# Altium PCB IDL_18_020.PcbDoc (part 1 of 2) (continued)
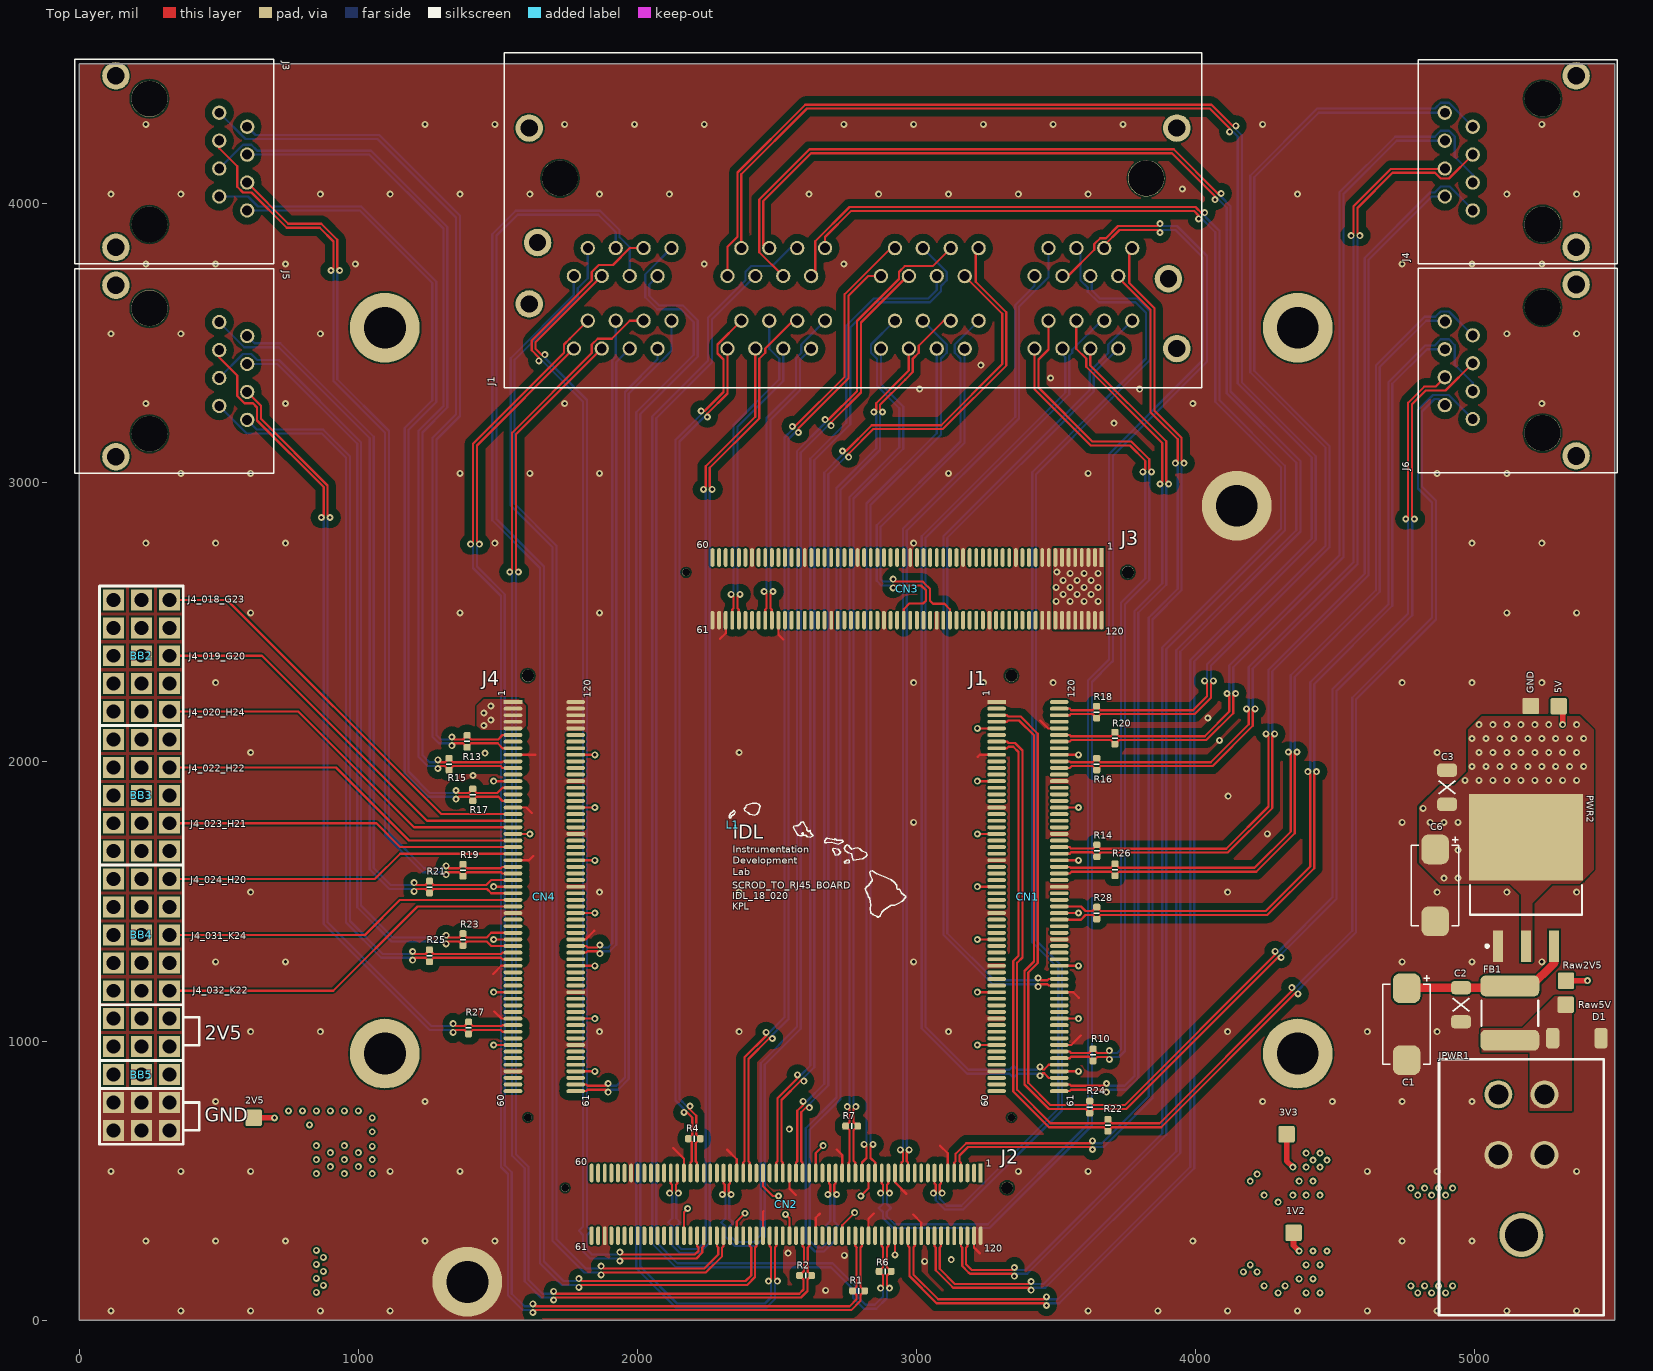
[diagram p0: Top Layer view]
## Footprints (in the part's own frame and the unit in brackets; to place one, negate y for a bottom-side part, rotate by r counter-clockwise, add the part's x,y. Pads: shape width x height; smd on the part's side, far side on the other; paste and mask are expansions set on the pad) (continued)
  round 1.1 hole 1.1 unplated: 121(-20.1,-1.5)
  round 0.7 hole 0.7 unplated: 122(20.1,-1.5)
  body extent -21.3,-3.28 21.3,3.22, height 10.82
"IDLab logo" [mil]
  silkscreen extent -13,-332 619,77
MOLEX_4PIN [mm]
  round 2.54 hole 1.829: 1(4.2,7.3) 2(0,7.3) 3(4.2,12.8) 4(0,12.8)
  round 4 hole 3: 5(2.1,0)
  silkscreen extent -5.4,-7.3 9.6,16
RC0402N1R [mm] "Chip capacitor 0402 ROUNDED PAD"
  rrect50% 0.6x0.65 smd: 1(-0.55,0) 2(0.55,0)
  silkscreen extent 0,-0.25 0,0.25, body extent -0.51,-0.25 0.51,0.25, height 0.36
SOD128 [mm] "2-Leads, Body 2.7x4.0mm (max), IPC Medium Density"
  rrect50% 1.2x1.9 smd: 1(-2.2,0) 2(2.2,0)
  body extent -2,-1.35 2,1.35, height 1.1
SOT223 [mm]
  rect 1.05x1.75 smd: 1(-2.3,-3.3) 2(0,-3.3) 3(2.3,-3.3)
  rect 3.4x1.75 smd: 4(0,3.3)
  silkscreen extent -3.45,-3.45 3.35,1.85, body extent -3.25,-3.5 3.25,3.5, height 1.8
SP1.5SQ [mm] "Solder Pad 1.5mm SMT"
  rrect20% 1.5x1.5 smd: 1(0,0)
"TO-263-4 DDPAK" [mm]
  rect 2.85x0.9 smd: 1(-6.2,2.54) 2(-6.2,0) 3(-6.2,-2.54)
  rect 7.9x10.35 smd: 4(3.7,0)
  silkscreen extent -6.32,-5.1 -0.65,5.1, body extent -3.35,-5.07 5.29,5.07, height 4.57
"VIRT RJ45" [mm] "Single_Verticle_RJ-45"
  round 1.3 hole 0.9: A1(1.27,6.35) A2(2.54,8.89) A3(3.81,6.35) A4(5.08,8.89) A5(6.35,6.35) A6(7.62,8.89) A7(8.89,6.35) A8(10.16,8.89)
  round 3.302 hole 3.25 unplated: M1(0,0)
  round 3.25 hole 3.25 unplated: M2(11.43,0)
  round 2.5 hole 1.6: M3(-2.085,-3.05) M4(13.515,-3.05)
  silkscreen extent -3.6,-6.8 15,11.3, body extent -2.6,-6.4 14,10.9, height 16.5

## Part data
1V2 2V5 3V3 5V GND Raw2V5 Raw5V: "Wire solder pin 1.5mm", Price=0, Sort=610, Tech=THDW
BB2 BB3 BB4 BB5: library part "3X5 Breadboard", "3X5 100mil pitch Breadboard", Tech="Surface Mount"
C1: library part CAPT7343_330U_16V, "330µF Molded Tantalum - Polymer Capacitors 16V", Manufacturer=Kemet, Manufacturer No=T521X337M016ATE050, Package="Tant SMD D 7343-43", Supplier Part Number 1=399-10365-6-ND, Voltage rating=16V, Supplier 1=Digi-Key, Tech=SMDR
C2 C3 C4 C5 C7 C8 C9 C10: library part CAPCC1206_10U_16VX7R, "10µF 16V Ceramic Capacitor X7R 1206", Manufacturer=TDK, Manufacturer No=C3216X7R1C106M160AC, Package="Cap Chip 1206", Supplier Part Number 1=445-1601-1-ND, Voltage rating=16V, Supplier 1=Digi-Key, Tech=SMDR
C6: library part CAPT7343_220U_6.3V, "220µF 6.3V Aluminum - Polymer Capacitors", Manufacturer=Panasonic, Manufacturer No=EEF-UE0J221LR, Package="Tant SMD D 7343-43", Supplier Part Number 1=PCE4263CT-ND, Voltage rating=6.3V, Supplier 1=Digi-Key, Tech=SMDR
CN1 CN2 CN3 CN4: library part CN_FX8C-120P-SV6(91), "Hirose Connector 120pin SMD R0.6mm male", Manufacturer=Hirose, Package="120pin SMD", Comment2="120pin Header 10.45mm", Manufacturer No=FX8C-120P-SV6(91), Price=5.69, Sort=610, Supplier=Digi-Key, Supplier No=H11527-ND, Tech=SMDR
D1: library part Schottky_Diodes_5A_30V, "DIODE SCHOTTKY 30V 5A SOD128  500ns 0.36Vf", Manufacturer=NXP, Package=SMB, Supplier Part Number 1=568-6753-6-ND, Manufacturer No=PMEG3050EP,115, Supplier 1=Digi-Key, Tech=SMDR
FB1: library part FB2220-74279224151, "Feritte filter smd 2220 5A 10mRdc 150Rac", Manufacturer=Wurth, Package="Filter Chip 2220", Supplier Part Number 1=732-3423-1-ND, Manufacturer No=74279224151, Supplier 1=Digi-Key, Supplier 2=Mouser, Supplier Part Number 2=710-74279224151, Tech=SMDR
J1: library part "2x4 RJ45 CONN", "CONN MOD JACK 8P8C R/A SHIELDED", Manufacturer="Molex, LLC", Package="RJ45, Ethernet", Supplier Part Number 1=WM14601-ND, Manufacturer No=0445200001, Supplier 1=Digi-Key, Tech="Through Hole, Right Angle"
J3 J4 J5 J6: library part "VIRT RJ45 CONN", "CONN MOD JACK 8P8C R/A SHIELDED", Manufacturer="Molex, LLC", Package="8p8c virt", Supplier Part Number 1=WM4590-ND, Manufacturer No=0855085001, Supplier 1=Digi-Key, Tech="Through Hole, virtcal"
PWR1: library part "3V3 REG LDO", "IC REG LDO 3.3V 1.5A SOT223-3", Manufacturer="Analog Devices Inc.", Supplier Part Number 1=ADP3339AKCZ-3.3-RLCT-ND, Manufacturer No=ADP3339AKCZ-3.3-RL, Supplier 1=Digi-Key, Tech="Surface Mount"
PWR2: library part "5V 5.5A REG LDO", "IC REG LDO 5V 5A DDPAK/TO-263-3", Manufacturer="Texas Instruments", Supplier Part Number 1=LM1084ISX-5.0/NOPBCT-ND, Manufacturer No=LM1084ISX-5.0/NOPB, Supplier 1=Digi-Key, Tech="Surface Mount"
PWR3: library part "1V2 REG LDO", "IC REG LDO 1.2V 1A SOT223-3", Manufacturer="Diodes Incorporated", Supplier Part Number 1=ZLDO1117G12DICT-ND, Manufacturer No=ZLDO1117G12TA, Supplier 1=Digi-Key, Tech="Surface Mount"
PWR4: library part "2V5 REG LDO", "IC REG LDO 2.5V 1.5A SOT223-3", Manufacturer="Analog Devices Inc.", Supplier Part Number 1=ADP3339AKCZ-2.5-R7CT-ND, Manufacturer No=ADP3339AKCZ-2.5-R7, Supplier 1=Digi-Key, Tech="Surface Mount"
R1 R2 R3 R4 R5 R6 R7 R8 R9 R10 R11 R12 R13 R14 R15 R16 R17 R18 R19 R20 R21 R22 R23 R24 R25 R26 R27 R28: library part RES0402-100R-1%100PPM, "RES SMD 100 OHM 1% 1/10W 0402", Manufacturer=Panasonic, Manufacturer No=ERJ-2RKF1000X, Package="Res Chip 0402", Supplier Part Number 1=P100LCT-ND, Supplier 1=Digi-Key, Tech=SMDR

## Free pads (board coordinates)
  round 250 hole 150: 1(1390.63,137.4) 2(4146.54,2917.32) 3(1095,955) 4(4365,955) 5(1095,3555) 6(4365,3555)

## Via types
v1: diameter 25, hole 12, Top Layer to Bottom Layer, tented both sides, 316 vias
v2: diameter 25, hole 12, Top Layer to Bottom Layer, 161 vias

## Nets (pads, with @x,y where several pads share a name; then routed paths per layer and width w, separated by ;. In a path a pad name is that pad's centre, name@x,y a point inside that pad or via, vN(x,y) a via of type N, cw(c..) or ccw(c..) an arc to the next point about the centre after c; other vN are vias at no path point)
1V2: 1V2.1 C8.2 CN2.18 CN2.26 CN2.34 CN2.75 CN2.83 CN2.91 CN2.99 CN2.107 PWR3.2 PWR3.4 | length 839.7
  Top Layer w8: CN2.75@2166.33,302.8 2166.33,386.33 v1(2180,400) ; CN2.83@2355.3,302.8 2355.3,353.3 v2(2385,383) ; CN2.34@2449.79,527.2 2449.79,480.21 2485,445 v1(2505,445) ; v1(2530,379) 2544.28,364.72 CN2.91@2544.28,302.8 ; CN2.26@2638.77,527.2 2638.77,598.77 v1(2665,625) ; CN2.99@2733.26,302.8 2733.26,340.26 v1(2778,385) ; v1(2800,445) 2827.74,472.74 CN2.18@2827.74,527.2 ; v1(2922.23,233.78) CN2.107@2922.23,302.8
  Top Layer w20: 1V2.1@4350,313 4350,267.99 v1(4370,247.99)
  other v1: 4295,97.99 4395,97.99 4445,97.99 4245,122.99 4320,122.99 4370,147.99 4420,147.99 4170,172.99 4220,172.99 4195,197.99 4395,197.99 4445,197.99 4420,247.99 4470,247.99
2V5: 2V5.1 BB5.1 BB5.2 BB5.6 BB5.7 BB5.11 BB5.12 C10.2 CN4.1 CN4.2 CN4.3 CN4.4 CN4.5 CN4.13 CN4.21 CN4.29 CN4.37 CN4.45 CN4.53 CN4.64 CN4.72 CN4.80 CN4.88 CN4.96 CN4.104 CN4.112 PWR4.2 PWR4.4 | length 963.9
  Top Layer w8: v1(1485.1,985.87) CN4.53@1554.12,985.87 ; v1(1485.1,1174.84) CN4.45@1554.12,1174.84 ; v1(1485.1,1363.82) CN4.37@1554.12,1363.82 ; v1(1485.1,1552.8) CN4.29@1554.12,1552.8 ; v1(1485.1,1930.75) CN4.13@1554.12,1930.75 ; CN4.21@1554.12,1741.77 v2(1614.77,1741.77) ; CN4.64@1778.53,891.38 v1(1847.55,891.38) ; CN4.72@1778.53,1080.35 v1(1847.55,1080.35) ; CN4.80@1778.53,1269.33 v1(1847.55,1269.33) ; CN4.88@1778.53,1458.31 v1(1847.55,1458.31) ; CN4.96@1778.53,1647.28 v1(1847.55,1647.28) ; CN4.104@1778.53,1836.26 v1(1847.55,1836.26) ; CN4.112@1778.53,2025.24 v1(1847.55,2025.24)
  Top Layer w20: 2V5.1@625,725 v1(700,725)
  other v1: 850,525 950,525 1050,525 900,550 1000,550 850,575 950,575 1050,575 900,600 1000,600 1050,622.83 850,625 950,625 1050,675 825,700 1050,725 750,750 800,750 850,750 900,750 950,750 1000,750 1450,2130 1475,2150 1450,2175 1475,2200
3V3: 3V3.1 C5.2 CN1.5 CN1.13 CN1.21 CN1.29 CN1.37 CN1.45 CN1.53 CN1.64 CN1.72 CN1.80 CN1.88 CN1.96 CN1.104 CN1.112 PWR1.2 PWR1.4 | length 1093.7
  Top Layer w8: v1(3217.39,985.87) CN1.53@3286.41,985.87 ; v1(3217.39,1174.84) CN1.45@3286.41,1174.84 ; v1(3217.39,1363.82) CN1.37@3286.41,1363.82 ; v1(3217.39,1552.8) CN1.29@3286.41,1552.8 ; v1(3217.39,1741.77) CN1.21@3286.41,1741.77 ; v1(3217.39,1930.75) CN1.13@3286.41,1930.75 ; v1(3217.39,2119.72) CN1.5@3286.41,2119.72 ; CN1.64@3510.81,891.38 v1(3579.83,891.38) ; CN1.72@3510.81,1080.35 v1(3579.83,1080.35) ; CN1.80@3510.81,1269.33 v1(3579.83,1269.33) ; CN1.88@3510.81,1458.31 v1(3579.83,1458.31) ; CN1.96@3510.81,1647.28 v1(3579.83,1647.28) ; CN1.104@3510.81,1836.26 v1(3579.83,1836.26) ; CN1.112@3510.81,2025.24 v1(3579.83,2025.24)
  Top Layer w20: 3V3.1@4325,666 4325,570.62 v1(4347.63,547.99)
  other v1: 4295,422.99 4245,447.99 4347.63,447.99 4395,447.99 4445,447.99 4195,497.99 4370,497.99 4420,497.99 4220,522.99 4395,547.99 4445,547.99 4420,572.99 4470,572.99 4395,597.99 4445,597.99
5V: 5V.1 C3.2 C6.1 CN3.1 CN3.2 CN3.3 CN3.4 CN3.5 CN3.6 CN3.7 CN3.8 CN3.113 CN3.114 CN3.115 CN3.116 CN3.117 CN3.118 CN3.119 CN3.120 PWR2.2 PWR2.4 | length 71.5
  Top Layer w20: 5V.1@5300,2199 5314.2,2184.8 v1(5314.2,2133.43)
  other v1: 4889.2,1583.43 4939.2,1583.43 4939.2,1683.43 4839.2,1783.43 4889.2,1783.43 4939.2,1783.43 4814.2,1833.43 4964.2,1933.43 5014.2,1933.43 5064.2,1933.43 5114.2,1933.43 5164.2,1933.43 5214.2,1933.43 5264.2,1933.43 5314.2,1933.43 5364.2,1933.43 4989.2,1983.43 5039.2,1983.43 5089.2,1983.43 5139.2,1983.43 5189.2,1983.43 5239.2,1983.43 5289.2,1983.43 5339.2,1983.43 5389.2,1983.43 5014.2,2033.43 5064.2,2033.43 5114.2,2033.43 5164.2,2033.43 5214.2,2033.43 5264.2,2033.43 5314.2,2033.43 5364.2,2033.43 4989.2,2083.43 5039.2,2083.43 5089.2,2083.43 5139.2,2083.43 5189.2,2083.43 5239.2,2083.43 5289.2,2083.43 5339.2,2083.43 5389.2,2083.43 5014.2,2133.43 5064.2,2133.43 5114.2,2133.43 5164.2,2133.43 5214.2,2133.43 5264.2,2133.43 5364.2,2133.43 3500,2575 3550,2575 3600,2575 3650,2575 3525,2600 3575,2600 3625,2600 3500,2625 3550,2625 3600,2625 3650,2625 3525,2650 3575,2650 3625,2650 3550,2675 3600,2675 3650,2675 3501.97,2680
AUX1_N: CN4.62 J1.D2 | length 2857
  Top Layer w8: CN4.62@1778.53,844.13 1816,844.13 1820.81,839.32 1886.5,839.32 v1(1895,847.82)
  Bottom Layer w8: v1(1895,847.82) 1903.5,839.32 1925,839.32 1955,869.32 1955,3325 2072.13,3442.13 J1.D2@2072.13,3479.84
AUX1_P: CN4.61 J1.D1 | length 2995.5
  Top Layer w8: CN4.61@1778.53,820.51 1816,820.51 1820.81,825.32 1886.5,825.32 v1(1895,816.82)
  Bottom Layer w8: v1(1895,816.82) 1903.5,825.32 1930.8,825.32 1969,863.52 1969,3319.2 2122.12,3472.32 J1.D1@2122.12,3580.23
AUX2_N: CN3.70 J1.C2 | length 1041.9
  Top Layer w8: CN3.70@2481.29,2507.52 2481.29,2544.98 2476.48,2549.8 2476.48,2601.2 v1(2485.27,2610)
  Bottom Layer w8: v1(2485.27,2610) 2476.48,2618.8 2476.48,3225.68 2582.28,3331.48 2582.28,3440 J1.C2@2622.13,3479.84
AUX2_P: CN3.69 J1.C1 | length 1168.8
  Top Layer w8: v1(2453.68,2610) 2462.48,2601.2 2462.48,2549.8 2457.67,2544.98 CN3.69@2457.67,2507.52
  Bottom Layer w8: v1(2453.68,2610) 2462.48,2618.8 2462.48,3231.48 2568.28,3337.28 2568.28,3445.8 2586.54,3464.05 2586.54,3494.58 2591.97,3500.02 2591.97,3500.08 J1.C1@2672.12,3580.23
AUX3_N: CN3.97 J1.B2 | length 1318.3
  Top Layer w8: v1(2916,2654.5) 2916,2651 2921,2646 3021.8,2646 3025.9,2641.9 3048,2619.8 3048,2577 3059,2566 3100,2566 3119.08,2546.92 CN3.97@3119.08,2507.52
  Bottom Layer w8: v1(2916,2654.5) 2907.5,2646 2879,2646 2871,2654 2871,2842 3170.97,3141.97 3170.97,3474 3168.7,3476.26 J1.B2@3172.13,3479.69
AUX3_P: CN3.90 J1.B1 | length 1469.2
  Top Layer w8: v1(2916,2623.5) 2916,2627 2921,2632 3016,2632 3034,2614 3034,2578 3023,2567 2974,2567 2953.73,2546.73 CN3.90@2953.73,2507.52
  Bottom Layer w8: v1(2916,2623.5) 2907.5,2632 2873.2,2632 2857,2648.2 2857,2847.8 3156.97,3147.77 3156.97,3444.51 3136.54,3464.94 3136.54,3488.63 3136.17,3489 3136.54,3489 3136.54,3494.49 J1.B1@3222.12,3580.07
AUX4_N: CN1.78 J1.A2 | length 2827.6
  Top Layer w8: v1(3435,1225.78) 3443.5,1217.28 3468.54,1217.28 3473.35,1222.09 CN1.78@3510.81,1222.09
  Bottom Layer w8: v1(3435,1225.78) 3426.5,1217.28 3278.72,1217.28 3110,1386 3110,2802.2 3634,3326.2 3634,3392.11 3651,3409.11 ; 3651,3409 3651,3409.11 ; J1.A2@3722.13,3480.24 3651,3409.11
AUX4_P: CN1.77 J1.A1 | length 2977.9
  Top Layer w8: v1(3435,1194.78) 3443.5,1203.28 3468.54,1203.28 3473.35,1198.46 CN1.77@3510.81,1198.46
  Bottom Layer w8: v1(3435,1194.78) 3426.5,1203.28 3272.93,1203.28 3096,1380.2 3096,2808 3620,3332 3620,3397.91 3687.06,3464.97 3686.54,3465.49 3686.54,3494.98 3771.79,3580.24 J1.A1@3772.13,3580.24
DC_SC_DATA1_N: CN2.93 J1.D6 R2.1 | length 4714.6
  Top Layer w8: v1(1573.5,2680) 1565,2688.5 1565,3173.11 J1.D6@1872.13,3480.24 ; v1(1700,103.5) 1708.5,95 2579.97,95 2594.97,110 2594.97,145.35 R2.1@2580.31,160 2596.33,176.02 2596.33,260.52 2591.52,265.33 CN2.93@2591.52,302.8
  Bottom Layer w8: v1(1573.5,2680) 1565,2671.5 1565,594.8 1610,549.8 1610,145 1660,95 1691.5,95 v1(1700,103.5)
DC_SC_DATA1_P: CN2.94 J1.D3 R2.2 | length 4986.5
  Top Layer w8: v1(1542.5,2680) 1551,2688.5 1551,3178.91 1836.54,3464.44 1836.54,3494.98 1857.38,3515.83 1908.05,3515.83 1972.45,3580.23 J1.D3@2022.12,3580.23 ; v1(1700,72.5) 1708.5,81 2585.77,81 2608.97,104.2 2608.97,145.35 R2.2@2623.62,160 2610.33,173.29 2610.33,260.52 2615.15,265.33 CN2.94@2615.15,302.8
  Bottom Layer w8: v1(1542.5,2680) 1551,2671.5 1551,589 1596,544 1596,139.2 1654.2,81 1691.5,81 v1(1700,72.5)
DC_SC_DATA2_N: CN2.47 J1.C6 R5.1 | length 3677.3
  Top Layer w8: CN2.47@2142.7,527.2 2142.7,489.74 2137.89,484.93 2137.89,463.8 v1(2146.69,455) ; v1(2236.5,2976) 2245,2984.5 2245,3058.8 2422.13,3235.92 J1.C6@2422.13,3480.24
  Bottom Layer w8: v1(2146.69,455) 2138.97,447.28 2138.97,364.65 R5.1@2153.62,350 2138.97,335.35 2138.97,273 2156.97,255 2216,255 2245,284 2245,2967.5 v1(2236.5,2976)
DC_SC_DATA2_P: CN2.48 J1.C3 R5.2 | length 3889.7
  Top Layer w8: v1(2115.1,455) 2123.89,463.8 2123.89,484.93 2119.08,489.74 CN2.48@2119.08,527.2 ; v1(2267.5,2976) 2259,2984.5 2259,3053 2429,3223 2436.13,3230.13 2436.13,3443.9 2457.72,3465.49 2457.72,3480.75 2557.2,3580.23 J1.C3@2572.12,3580.23
  Bottom Layer w8: v1(2115.1,455) 2123.89,446.2 2123.89,445.56 2124.97,444.48 2124.97,364.65 R5.2@2110.31,350 2124.97,335.35 2124.97,273 2124.97,267.2 2151.17,241 2221.8,241 2259,278.2 2259,2967.5 v1(2267.5,2976)
DC_SC_DATA3_N: CN2.23 J1.B6 R8.1 | length 3756.6
  Top Layer w8: CN2.23@2709.63,527.2 2709.63,489.74 2704.82,484.93 2704.82,458.8 v1(2713.62,450) ; v1(2846.5,3253) 2855,3261.5 2855,3284.8 2949.1,3378.9 2953.2,3383 2972.13,3401.92 J1.B6@2972.13,3480.08
  Bottom Layer w8: v1(2713.62,450) 2704.82,441.2 2704.82,353.8 R8.1@2718.62,340 2703.97,325.35 2703.97,282.23 2667.73,246 2636.17,246 2602.97,279.2 2602.97,687.77 2713,797.8 2713,2980.8 2855,3122.8 2855,3244.5 v1(2846.5,3253)
DC_SC_DATA3_P: CN2.24 J1.B3 R8.2 | length 3882.2
  Top Layer w8: v1(2682.03,450) 2690.82,458.8 2690.82,484.93 2686.01,489.74 CN2.24@2686.01,527.2 ; v1(2877.5,3253) 2869,3261.5 2869,3279 2959,3369 2986.13,3396.13 2986.13,3444.49 2986.87,3444.49 3007.72,3465.34 3007.72,3490.72 3096.74,3579.74 J1.B3@3122.12,3579.74
  Bottom Layer w8: v1(2682.03,450) 2690.82,441.2 2690.82,355.51 R8.2@2675.31,340 2689.97,325.35 2689.97,288.03 2661.94,260 2641.97,260 2616.97,285 2616.97,681.97 2720,785 2727,792 2727,2975 2869,3117 2869,3244.5 v1(2877.5,3253)
DC_SC_DATA4_N: CN1.63 J1.A6 R11.1 | length 3238.3
  Top Layer w8: v1(3441.97,875.58) 3450.76,884.38 3456.73,884.38 3473.35,867.76 CN1.63@3510.81,867.76
  Bottom Layer w8: v1(3441.97,875.58) 3434.55,883 3361.62,883 R11.1@3346.97,868.35 3332.31,883 3180,883 3018,1045 3018,2808 3532.48,3322.48 3532.48,3449.49 3522.13,3459.84 J1.A6@3522.13,3480.24
DC_SC_DATA4_P: CN1.65 J1.A3 R11.2 | length 3369.8
  Top Layer w8: v1(3441.97,907.17) 3450.76,898.38 3456.73,898.38 3473.35,915 CN1.65@3510.81,915
  Bottom Layer w8: v1(3441.97,907.17) 3433.17,898.38 3432.53,898.38 3431.15,897 3361.62,897 R11.2@3346.97,911.65 3332.31,897 3185.8,897 3032,1050.8 3032,2802.2 3546.48,3316.68 3546.48,3454.26 3557.72,3465.49 3557.72,3475.75 3662.2,3580.24 J1.A3@3672.13,3580.24
DC_SC_TX1_N: CN2.101 J1.D8 R1.1 | length 5100.9
  Top Layer w8: v1(1433.5,2780) 1425,2788.5 1425,3133.11 J1.D8@1772.13,3480.24 ; v1(1625,58.5) 1633.5,50 2759.97,50 2784.97,75 2784.97,90.35 R1.1@2770.31,105 2784.97,119.65 2784.97,260.18 2785.31,260.52 2780.5,265.33 CN2.101@2780.5,302.8
  Bottom Layer w8: v1(1433.5,2780) 1425,2771.5 1425,2699.8 1525,2599.8 1525,554.8 1550,529.8 1550,95 1595,50 1616.5,50 v1(1625,58.5)
DC_SC_TX1_P: CN2.102 J1.D7 R1.2 | length 5274.2
  Top Layer w8: v1(1402.5,2780) 1411,2788.5 1411,3138.91 1737.06,3464.97 1736.54,3465.49 1736.54,3494.98 1757.38,3515.83 1757.72,3515.83 J1.D7@1822.12,3580.23 ; v1(1625,27.5) 1633.5,36 2765.77,36 2798.97,69.2 2798.97,90.35 R1.2@2813.62,105 2799.31,119.31 2799.31,260.52 2804.12,265.33 CN2.102@2804.12,302.8
  Bottom Layer w8: v1(1402.5,2780) 1411,2771.5 1411,2694 1511,2594 1511,549 1536,524 1536,89.2 1589.2,36 1616.5,36 v1(1625,27.5)
DC_SC_TX2_N: CN2.44 J1.C8 R4.1 | length 3080.2
  Top Layer w8: v1(2188.41,766.41) 2185.9,763.9 2185.9,756.9 2210.62,732.18 2210.62,664.65 R4.1@2225.28,650 2208.76,633.48 2208.76,569.48 2213.57,564.67 CN2.44@2213.57,527.2 ; v1(2250.01,3234.99) 2250.01,3247.01 2322.13,3319.13 J1.C8@2322.13,3480.24
  Bottom Layer w8: v1(2188.41,766.41) 2176.39,766.41 2150.42,792.38 2150.42,3147.42 2237.99,3234.99 v1(2250.01,3234.99)
DC_SC_TX2_P: CN2.45 J1.C7 R4.2 | length 3233
  Top Layer w8: v1(2166.49,744.49) 2169,747 2176,747 2196.62,726.38 2196.62,664.65 R4.2@2181.97,650 2194.76,637.21 2194.76,569.48 2189.95,564.67 CN2.45@2189.95,527.2 ; v1(2228.09,3256.91) 2240.11,3256.91 2308.13,3324.92 2308.13,3440.87 2286.54,3462.46 2286.54,3494.98 J1.C7@2371.79,3580.23 ; J1.C7@2362.2,3580.23 J1.C7@2371.79,3580.23 ; J1.C7@2371.95,3580.4 J1.C7@2371.79,3580.23 ; J1.C7@2372.12,3580.23 J1.C7@2371.79,3580.23
  Bottom Layer w8: v1(2166.49,744.49) 2166.49,756.51 2145,778 2136.42,786.58 2136.42,3153.22 2145,3161.8 2228.09,3244.89 v1(2228.09,3256.91)
DC_SC_TX3_N: CN2.20 J1.B8 R7.1 | length 3081.6
  Top Layer w8: CN2.20@2780.5,527.2 2780.5,564.67 2773.97,571.2 2773.97,680.35 R7.1@2788.62,695 2773.97,709.65 2773.97,756.5 v1(2782.47,765)
  Bottom Layer w8: v1(2782.47,765) 2773.97,773.5 2773.97,2942.97 2952,3121 2952,3272.8 2872.13,3352.67 J1.B8@2872.13,3480.08
DC_SC_TX3_P: CN2.21 J1.B7 R7.2 | length 3225.2
  Top Layer w8: v1(2751.47,765) 2759.97,756.5 2759.97,709.65 R7.2@2745.31,695 2759.97,680.35 2759.97,567.76 2756.88,564.67 CN2.21@2756.88,527.2
  Bottom Layer w8: v1(2751.47,765) 2759.97,773.5 2759.97,2948.77 2938,3126.8 2938,3267 2858.13,3346.87 2858.13,3444.49 2857.38,3444.49 2836.54,3465.34 2836.54,3494.82 2921.79,3580.07 J1.B7@2922.12,3580.07
DC_SC_TX4_N: CN1.67 J1.A8 R10.1 | length 3047.3
  Top Layer w8: J1.A8@3422.13,3480.24 3422.13,3334.87 3624,3133 3764,3133 3819,3078 3819,3047.5 v1(3810.5,3039) ; CN1.67@3510.81,962.24 3548.28,962.24 3553.09,957.43 3617.75,957.43 R10.1@3631.97,971.65 3646.62,957 3681.5,957 v1(3690,965.5)
  Bottom Layer w8: v1(3690,965.5) 3698.5,957 3719,957 3732,970 3732,2569.8 3819,2656.8 3819,3030.5 v1(3810.5,3039)
DC_SC_TX4_P: CN1.66 J1.A7 R10.2 | length 3185.7
  Top Layer w8: J1.A7@3472.13,3580.24 3472.13,3477.13 3436.13,3441.13 3436.13,3340.67 3629.8,3147 3769.8,3147 3833,3083.8 3833,3047.5 v1(3841.5,3039) ; CN1.66@3510.81,938.62 3548.28,938.62 3553.09,943.43 3616.88,943.43 R10.2@3631.97,928.35 3646.62,943 3681.5,943 v1(3690,934.5)
  Bottom Layer w8: v1(3690,934.5) 3698.5,943 3724.8,943 3746,964.2 3746,2564 3833,2651 3833,3030.5 v1(3841.5,3039)
GND: BB5.4 BB5.5 BB5.9 BB5.10 BB5.14 BB5.15 C1.2 C2.1 C3.1 C4.1 C5.1 C6.2 C7.1 C8.1 C9.1 C10.1 CN1.1 CN1.9 CN1.17 CN1.25 CN1.33 CN1.41 CN1.49 CN1.57 CN1.68 CN1.76 CN1.84 CN1.92 CN1.100 CN1.108 CN1.116 CN2.6 CN2.14 CN2.22 CN2.30 CN2.38 CN2.46 CN2.54 CN2.63 CN2.87 CN2.95 CN2.103 CN2.111 CN2.119 CN2.120 CN3.9 CN3.10 CN3.14 CN3.22 CN3.30 CN3.38 CN3.46 CN3.54 CN3.61 CN3.62 CN3.63 CN3.71 CN3.79 CN3.87 CN3.95 CN3.103 CN3.111 CN3.112 CN4.9 CN4.17 CN4.25 CN4.33 CN4.41 CN4.49 CN4.57 CN4.68 CN4.76 CN4.84 CN4.92 CN4.100 CN4.108 CN4.116 CN4.117 CN4.118 CN4.119 CN4.120 D1.2 GND.1 JPWR1.1 JPWR1.2 pad.1 pad.2 PWR1.1 PWR2.1 PWR3.1 PWR4.1 | length 1954
  Top Layer w8: 1483,1240 1512.33,1269.33 CN4.41@1554.12,1269.33 ; 1487,1106 1512.65,1080.35 CN4.49@1554.12,1080.35 ; CN4.25@1554.12,1647.28 1611.28,1647.28 1627,1663 ; CN4.17@1554.12,1836.26 1601.74,1836.26 1621,1817 ; CN4.9@1554.12,2025.24 1634.24,2025.24 ; CN4.84@1778.53,1363.82 1813.82,1363.82 1845,1395 ; 2128,617 2166.33,578.67 CN2.46@2166.33,527.2 ; 2296,2441 2315.93,2460.93 CN3.63@2315.93,2507.52 ; 2321,611 2355.3,576.7 CN2.38@2355.3,527.2 ; CN2.87@2449.79,302.8 2449.79,388.79 2451,390 ; CN3.71@2504.91,2507.52 2504.91,2455.09 2522,2438 ; CN2.30@2544.28,527.2 2544.28,470.72 2567,448 ; CN2.95@2638.77,302.8 2638.77,366.77 2654,382 ; 2714,611 2733.26,591.74 CN2.22@2733.26,527.2 ; CN2.103@2827.74,302.8 2827.74,363.74 2846,382 ; CN2.14@2922.23,527.2 2922.23,493.77 2964,452 ; 2987,379 3016.72,349.28 CN2.111@3016.72,302.8 ; 3084,625 3111.21,597.79 CN2.6@3111.21,527.2 ; CN2.119@3205.7,302.8 3205.7,260.3 3227,239 ; 3218,2017 3226.24,2025.24 CN1.9@3286.41,2025.24 ; 3443,2148 3471.28,2119.72 CN1.116@3510.81,2119.72 ; CN1.68@3510.81,985.87 3553.87,985.87 3588,1020 ; CN1.76@3510.81,1174.84 3561.16,1174.84 3581,1155
  other v2: 114.2,33.43 364.2,33.43 614.2,33.43 864.2,33.43 1114.2,33.43 3614.2,33.43 3864.2,33.43 4114.2,33.43 4364.2,33.43 4614.2,33.43 4864.2,33.43 5114.2,33.43 5364.2,33.43 2674,107 3029,211 3124,217 2741,232 2540,240 239.2,283.43 489.2,283.43 739.2,283.43 1239.2,283.43 1489.2,283.43 3989.2,283.43 4739.2,283.43 4989.2,283.43 114.2,533.43 364.2,533.43 614.2,533.43 1114.2,533.43 1364.2,533.43 3364.2,533.43 3614.2,533.43 4614.2,533.43 4864.2,533.43 5364.2,533.43 2544,684 489.2,783.43 1239.2,783.43 3239.2,783.43 4239.2,783.43 4489.2,783.43 4739.2,783.43 4989.2,783.43 614.2,1033.43 864.2,1033.43 1864.2,1033.43 2364.2,1033.43 3114.2,1033.43 4114.2,1033.43 4614.2,1033.43 4864.2,1033.43 489.2,1283.43 739.2,1283.43 2989.2,1283.43 4739.2,1283.43 4989.2,1283.43 5239.2,1283.43 614.2,1533.43 1864.2,1533.43 2364.2,1533.43 4114.2,1533.43 4864.2,1533.43 5114.2,1533.43 5364.2,1533.43 4256,1742 2989.2,1783.43 4739.2,1783.43 4116,1877 1411,1951 1454,2031 614.2,2033.43 2364.2,2033.43 4864.2,2033.43 4085,2077 4043,2157 489.2,2283.43 2989.2,2283.43 3239.2,2283.43 3489.2,2283.43 4739.2,2283.43 4989.2,2283.43 5239.2,2283.43 614.2,2533.43 1364.2,2533.43 1864.2,2533.43 5114.2,2533.43 5364.2,2533.43 239.2,2783.43 489.2,2783.43 739.2,2783.43 1489.2,2783.43 2989.2,2783.43 4989.2,2783.43 5239.2,2783.43 364.2,3033.43 614.2,3033.43 1364.2,3033.43 1614.2,3033.43 1864.2,3033.43 3114.2,3033.43 3614.2,3033.43 4864.2,3033.43 5114.2,3033.43 3707,3213 239.2,3283.43 739.2,3283.43 1739.2,3283.43 3989.2,3283.43 5239.2,3283.43 3799,3335 3011,3336 3480,3375 3230,3421 114.2,3533.43 364.2,3533.43 864.2,3533.43 5114.2,3533.43 5364.2,3533.43 239.2,3783.43 489.2,3783.43 739.2,3783.43 989.2,3783.43 2239.2,3783.43 2739.2,3783.43 4739.2,3783.43 4989.2,3783.43 5239.2,3783.43 114.2,4033.43 364.2,4033.43 864.2,4033.43 1114.2,4033.43 1364.2,4033.43 1614.2,4033.43 1864.2,4033.43 2114.2,4033.43 2614.2,4033.43 2864.2,4033.43 3114.2,4033.43 3364.2,4033.43 3614.2,4033.43 4364.2,4033.43 5114.2,4033.43 5364.2,4033.43 3952,4052 239.2,4283.43 1239.2,4283.43 1489.2,4283.43 1739.2,4283.43 1989.2,4283.43 2239.2,4283.43 2739.2,4283.43 2989.2,4283.43 3239.2,4283.43 3489.2,4283.43 3739.2,4283.43 4239.2,4283.43 5239.2,4283.43
J4_018_G23: BB2.1 CN4.18 | length 1548.9
  Top Layer w8: BB2.1@323.03,2580 530,2580 1297,1813 1553.76,1813 CN4.18@1554.12,1812.64
J4_019_G20: BB2.3 CN4.19 | length 1475.9
  Top Layer w8: BB2.3@323.03,2380 655,2380 1245.98,1789.02 CN4.19@1554.12,1789.02
J4_020_H24: BB2.5 CN4.20 | length 1402.8
  Top Layer w8: BB2.5@323.03,2180 785,2180 1199.61,1765.39 CN4.20@1554.12,1765.39
J4_022_H22: BB3.2 CN4.22 | length 1339.6
  Top Layer w8: BB3.2@323.03,1980 920,1980 1181.85,1718.15 CN4.22@1554.12,1718.15
J4_023_H21: BB3.4 CN4.23 | length 1266.5
  Top Layer w8: BB3.4@323.03,1780 1065,1780 1150.47,1694.53 CN4.23@1554.12,1694.53
J4_024_H20: BB4.1 CN4.24 | length 1268.7
  Top Layer w8: BB4.1@323.03,1580 1059,1580 1149.91,1670.91 CN4.24@1554.12,1670.91
J4_031_K24: BB4.3 CN4.31 | length 1283.1
  Top Layer w8: BB4.3@323.03,1380 1023.9,1380 1149.45,1505.55 CN4.31@1554.12,1505.55
J4_032_K22: BB4.5 CN4.32 | length 1356.2
  Top Layer w8: BB4.5@323.03,1180 910,1180 1211.93,1481.93 CN4.32@1554.12,1481.93
MAS_ACK1_N: CN2.81 J1.H8 | length 4372.7
  Top Layer w8: v1(1870,162.5) 1878.5,171 2245.05,171 2303.25,229.2 2303.25,260.52 2308.06,265.33 CN2.81@2308.06,302.8
  Bottom Layer w8: J1.H8@1772.12,3740.23 1772.12,3672.12 1546,3446 1546,2918.2 1696,2768.2 1696,284.2 1809.2,171 1861.5,171 v1(1870,162.5)
MAS_ACK1_P: CN2.80 J1.H7 | length 4441.2
  Top Layer w8: v1(1870,193.5) 1878.5,185 2239.25,185 2289.25,235 2289.25,260.52 2284.44,265.33 CN2.80@2284.44,302.8
  Bottom Layer w8: J1.H7@1822.11,3840.23 1822.11,3732.11 1786.12,3696.12 1786.12,3666.32 1560,3440.2 1560,2924 1710,2774 1710,290 1815,185 1861.5,185 v1(1870,193.5)
MAS_ACK2_N: CN2.109 J1.G8 | length 7756.3
  Top Layer w8: J1.G8@2322.12,3740.23 2322.12,3845.15 2358.11,3881.15 2358.11,3885.1 2357.97,3885.25 2357.97,4110.8 2601.17,4354 4055.8,4354 4131.39,4278.41 v1(4143.41,4278.41) ; CN2.109@2969.48,302.8 2969.48,265.33 2974.29,260.52 2974.29,157.88 3067.07,65.1 ; v1(3465,52.5) 3456.5,61 3071.17,61 ; 3067.07,65.1 3071.17,61 ; 3067.07,65.1 3071.17,61
  Bottom Layer w8: v1(3465,52.5) 3473.5,61 3510.8,61 3549.9,100.1 3994,544.2 3994,2359 4430,2795 4430,3094.8 4165,3359.8 4165,4244.8 4143.41,4266.39 v1(4143.41,4278.41)
MAS_ACK2_P: CN2.110 J1.G7 | length 7542
  Top Layer w8: J1.G7@2372.11,3840.23 2372.11,3894.85 2371.97,3895 2371.97,4105 2606.97,4340 4050,4340 4121.49,4268.51 v1(4121.49,4256.49) ; CN2.110@2993.1,302.8 2993.1,265.33 2988.29,260.52 2988.29,163.68 3076.97,75 3456.5,75 v1(3465,83.5)
  Bottom Layer w8: v1(3465,83.5) 3473.5,75 3505,75 3980,550 3980,2364.8 4415,2799.8 4415,3090 4150,3355 4150,4240 4133.51,4256.49 v1(4121.49,4256.49)
MAS_ACK3_N: CN2.36 J1.F8 | length 3453.1
  Top Layer w8: CN2.36@2402.55,527.2 2402.55,564.67 2397.74,569.48 2397.74,935.77 2471.97,1010 2481.97,1010 v1(2483.19,1008.78) ; v1(2576.51,3179.49) 2577.09,3180.07 2577.09,3195.12 2745,3363.03 2756,3374.03 2756,3669.03 2827.04,3740.07 J1.F8@2872.12,3740.07
  Bottom Layer w8: v1(2483.19,1008.78) 2483.19,1021.22 2541,1079.03 2541,3156 2564.49,3179.49 v1(2576.51,3179.49)
MAS_ACK3_P: CN2.37 J1.F7 | length 3560.1
  Top Layer w8: CN2.37@2378.92,527.2 2378.92,564.67 2383.74,569.48 2383.74,941.57 2462.07,1019.9 2462.07,1029.9 v1(2460.85,1031.12) ; v1(2554.59,3201.41) 2563.58,3201.41 2742,3379.83 2742,3674.83 2907.24,3840.07 J1.F7@2922.11,3840.07
  Bottom Layer w8: v1(2460.85,1031.12) 2473.29,1031.12 2527,1084.83 2527,3161.8 2554.59,3189.39 v1(2554.59,3201.41)
MAS_ACK4_N: CN2.13 J1.E8 | length 3417.6
  Top Layer w8: v1(2941.87,610) 2950.67,601.2 2950.67,569.48 2945.85,564.67 CN2.13@2945.85,527.2
  Bottom Layer w8: v1(2941.87,610) 2950.67,618.8 2950.67,2833.67 3352.97,3235.97 3352.97,3636 3422.12,3705.15 J1.E8@3422.12,3740.23
MAS_ACK4_P: CN2.12 J1.E7 | length 3532.5
  Top Layer w8: CN2.12@2969.48,527.2 2969.48,564.67 2964.67,569.48 2964.67,601.2 v1(2973.46,610)
  Bottom Layer w8: v1(2973.46,610) 2964.67,618.8 2964.67,2827.87 3366.97,3230.17 3366.97,3630.2 3472.12,3735.35 J1.E7@3472.12,3840.23
NetC1_1: C1.1 C2.2 FB1.2 PWR2.3 | length 635.7
  Top Layer w8: C1.1@4755,1188.94 C1.1@4757.09,1191.02 ; FB1.2@5118.58,1191.02 FB1.2@5125,1197.44
  Top Layer w30: C1.1@4757.09,1191.02 C2.2@4950.09,1191.02 FB1.2@5118.58,1191.02 ; FB1.2@5196.02,1191.02 5285,1280 PWR2.3@5285,1338.94
  Top Layer w50: FB1.2@5118.58,1191.02 FB1.2@5196.02,1191.02
ORed_Trig1_N: CN2.78 J1.H3 R3.2 | length 4432.4
  Top Layer w8: v1(1646.49,3436.49) 1646.49,3448.51 1621,3474 1621,3508.91 1836.53,3724.44 1836.53,3754.97 1861.56,3780 1912.22,3780 1972.45,3840.23 J1.H3@2022.11,3840.23 ; v1(1936.97,212.2) 1936.97,216 1941.97,221 2211.13,221 2232.38,242.25 2232.38,260.52 2237.19,265.33 CN2.78@2237.19,302.8
  Bottom Layer w8: v1(1646.49,3436.49) 1658.51,3436.49 1804.97,3290.03 1804.97,334.65 R3.2@1790.31,320 1804.97,305.35 1804.97,247.2 1831.17,221 1928.17,221 v1(1936.97,212.2)
ORed_Trig1_P: CN2.77 J1.H6 R3.1 | length 4159.4
  Top Layer w8: v1(1668.41,3458.41) 1656.39,3458.41 1635,3479.8 1635,3503.11 J1.H6@1872.12,3740.23 ; v1(1936.97,243.8) 1936.97,240 1941.97,235 2205.33,235 2218.38,248.05 2218.38,260.52 2213.57,265.33 CN2.77@2213.57,302.8
  Bottom Layer w8: v1(1668.41,3458.41) 1668.41,3446.39 1818.97,3295.83 1818.97,334.65 R3.1@1833.62,320 1818.97,305.35 1818.97,253 1836.97,235 1928.17,235 v1(1936.97,243.8)
ORed_Trig2_N: CN2.105 J1.G6 R6.1 | length 4783.1
  Top Layer w8: v1(2871.17,115) 2879.97,123.8 2879.97,160.35 R6.1@2865.31,175 2879.8,189.48 2879.8,260.52 2874.99,265.33 CN2.105@2874.99,302.8
  Bottom Layer w8: J1.G6@2422.12,3740.23 2266.97,3585.08 2266.97,3431.17 2066.97,3231.17 2066.97,280 2142.97,204 2698.77,204 2786.97,115.8 2786.97,85 2816.97,55 2849.97,55 2879.97,85 2879.97,106.2 v1(2871.17,115)
ORed_Trig2_P: CN2.106 J1.G3 R6.2 | length 5056.4
  Top Layer w8: CN2.106@2898.61,302.8 2898.61,265.33 2893.8,260.52 2893.8,189.82 R6.2@2908.62,175 2893.97,160.35 2893.97,123.8 v1(2902.76,115)
  Bottom Layer w8: J1.G3@2572.11,3840.23 2547.19,3840.23 2482.79,3775.82 2407.38,3775.82 2386.53,3754.97 2386.53,3724.44 2252.97,3590.88 2252.97,3436.97 2052.97,3236.97 2052.97,274.2 2137.17,190 2692.97,190 2772.97,110 2772.97,79.2 2807.07,45.1 2811.17,41 2855.77,41 2893.97,79.2 2893.97,106.2 v1(2902.76,115)
ORed_Trig3_N: CN2.40 J1.F6 R9.1 | length 4083.5
  Top Layer w8: v1(2304.07,450) 2312.87,458.8 2312.87,484.93 2308.06,489.74 CN2.40@2308.06,527.2 ; v1(2694.01,3203.99) 2694.01,3216.01 2801,3323 2801,3574.03 2967.04,3740.07 J1.F6@2972.12,3740.07
  Bottom Layer w8: v1(2304.07,450) 2314.97,439.11 2314.97,364.65 R9.1@2300.31,350 2314.97,335.35 2314.97,299.2 2348.17,266 2422.77,266 2451.87,295.1 ; 2451.87,295.1 2455.97,299.2 2455.97,914.97 2585,1044 2585,3107 2681.99,3203.99 v1(2694.01,3203.99)
ORed_Trig3_P: CN2.39 J1.F3 R9.2 | length 4259.1
  Top Layer w8: CN2.39@2331.68,527.2 2331.68,489.74 2326.87,484.93 2326.87,458.8 v1(2335.67,450) ; v1(2672.09,3225.91) 2684.11,3225.91 2786,3327.8 2786,3578.83 2936.53,3729.36 2936.53,3754.82 2957.38,3775.66 3057.71,3775.66 J1.F3@3122.11,3840.07
  Bottom Layer w8: v1(2335.67,450) 2328.97,443.3 2328.97,364.65 R9.2@2343.62,350 2328.97,335.35 2328.97,305 2353.97,280 2416.97,280 2441.97,305 2441.97,920.77 2571,1049.8 2571,3112.8 2672.09,3213.89 v1(2672.09,3225.91)
ORed_Trig4_N: CN2.16 J1.E6 R12.1 | length 5041.6
  Top Layer w8: v1(2871,455) 2874.8,455 2879.8,460 2879.8,484.93 2874.99,489.74 CN2.16@2874.99,527.2 ; J1.E6@3522.12,3740.23 3542.2,3740.23 3636.53,3834.56 3636.53,3854.97 3657.38,3875.82 3677.99,3875.82 3721.17,3919 3863.17,3919 v1(3871.97,3927.8)
  Bottom Layer w8: v1(2871,455) 2871,454.35 2879.97,445.39 2879.97,417.28 R12.1@2864.69,402 2879.35,387.35 2879.35,366.2 2915.55,330 3260.85,330 3628,697.15 3628,2286 3693,2351 3703,2361 3703,3096.2 4040,3433.2 4040,3811.77 3932.77,3919 3880.76,3919 v1(3871.97,3927.8)
ORed_Trig4_P: CN2.15 J1.E3 R12.2 | length 4768
  Top Layer w8: CN2.15@2898.61,527.2 2898.61,489.74 2893.8,484.93 2893.8,460 2898.8,455 v1(2902.59,455) ; J1.E3@3672.12,3840.23 3672.12,3850.15 3726.97,3905 3863.17,3905 v1(3871.97,3896.2)
  Bottom Layer w8: v1(2902.59,455) 2893.97,446.37 2893.97,416.03 R12.2@2908,402 2893.35,387.35 2893.35,372 2921.35,344 3255.05,344 3614,702.95 3614,2291.8 3689,2366.8 3689,3102 4026,3439 4026,3805.97 3926.97,3905 3880.76,3905 v1(3871.97,3896.2)
RawFor_2.5V: C4.2 C7.2 C9.2 JPWR1.4 PWR1.3 PWR3.3 PWR4.3 Raw2V5.1 | length 77
  Top Layer w20: Raw2V5.1@5326,1216 v2(5403,1216)
  other v1: 4795,97.99 4845,97.99 4895,97.99 850,100 4770,122.99 4820,122.99 4870,122.99 4920,122.99 875,125 850,150 875,175 850,200 875,225 850,250 4795,447.99 4845,447.99 4895,447.99 4770,472.99 4820,472.99 4870,472.99 4920,472.99
RawFor_5V: D1.1 FB1.1 JPWR1.3 Raw5V.1
SC_DC_CLK1_N: CN4.82 J1.D4 | length 2319.7
  Top Layer w8: CN4.82@1778.53,1316.57 1816,1316.57 1820.81,1321.39 1856.5,1321.39 v1(1865,1312.89)
  Bottom Layer w8: v1(1865,1312.89) 1873.5,1321.39 1900.8,1321.39 1924,1344.59 1924,3432.11 J1.D4@1972.13,3480.24
SC_DC_CLK1_P: CN4.83 J1.D5 | length 2381.6
  Top Layer w8: CN4.83@1778.53,1340.2 1816,1340.2 1820.81,1335.39 1856.5,1335.39 v1(1865,1343.89)
  Bottom Layer w8: v1(1865,1343.89) 1873.5,1335.39 1895,1335.39 1910,1350.39 1910,3437.91 1922.12,3450.03 J1.D5@1922.12,3580.23
SC_DC_CLK2_N: CN3.65 J1.C4 | length 1049.8
  Top Layer w8: CN3.65@2363.18,2507.52 2363.18,2544.98 2358.37,2549.8 2358.37,2591.2 v1(2367.16,2600)
  Bottom Layer w8: v1(2367.16,2600) 2358.37,2608.8 2358.37,3200.57 2522.13,3364.33 J1.C4@2522.13,3480.24
SC_DC_CLK2_P: CN3.64 J1.C5 | length 1164.7
  Top Layer w8: v1(2335.57,2600) 2344.37,2591.2 2344.37,2549.8 2339.55,2544.98 CN3.64@2339.55,2507.52
  Bottom Layer w8: v1(2335.57,2600) 2344.37,2608.8 2344.37,3206.37 2508.13,3370.13 2508.13,3443.84 2472.12,3479.85 J1.C5@2472.12,3580.23
SC_DC_CLK3_N: CN2.19 J1.B4 | length 3071.2
  Top Layer w8: CN2.19@2804.12,527.2 2804.12,564.67 2820.74,581.29 2820.74,621.2 v1(2811.95,630)
  Bottom Layer w8: v1(2811.95,630) 2820.74,638.8 2820.74,2925.54 3072.13,3176.92 J1.B4@3072.13,3480.08
SC_DC_CLK3_P: CN2.17 J1.B5 | length 3215.8
  Top Layer w8: v1(2843.54,630) 2834.74,621.2 2834.74,581.29 2851.37,564.67 CN2.17@2851.37,527.2
  Bottom Layer w8: v1(2843.54,630) 2834.74,638.8 2834.74,2919.74 3086.97,3171.97 3086.97,3444.59 3107.72,3465.34 3107.72,3494.82 3022.46,3580.07 J1.B5@3022.12,3580.07